# Altium PCB MINI_ESC_G0.PcbDoc (continued)
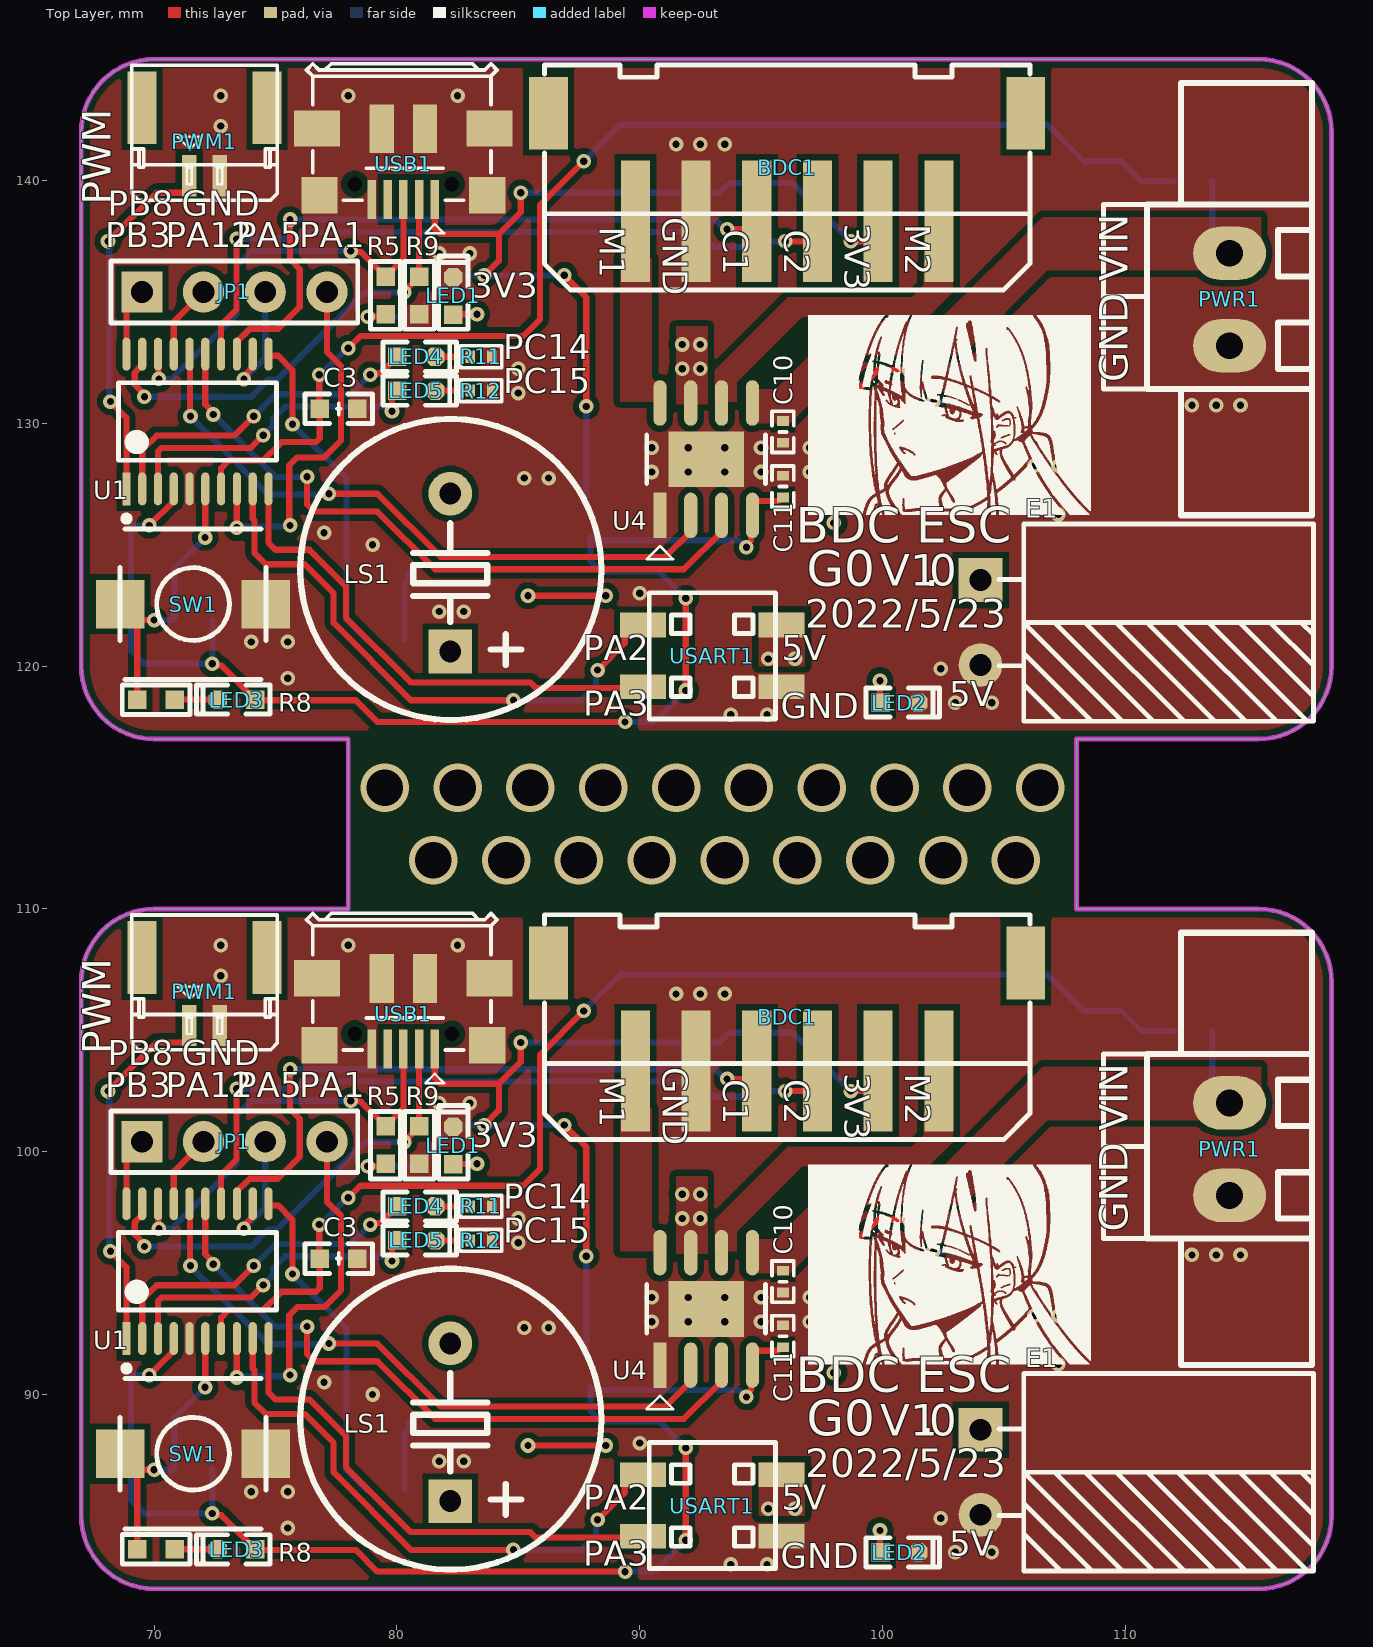
[diagram p0: Top Layer view]
## Nets (pads, with @x,y where several pads share a name; then routed paths per layer and width w, separated by ;. In a path a pad name is that pad's centre, name@x,y a point inside that pad or via, vN(x,y) a via of type N, cw(c..) or ccw(c..) an arc to the next point about the centre after c; other vN are vias at no path point) (continued)
5V: C2.2 C6.1 D2.2 DR2.2 L1.2 LS1.1 R3.2 R6.1 U2.1 U2.3 USART1.1 | length 31.2
  Top Layer w0.254: v1(85.4,87.9) v1(88.6,87.9) ; v1(85.4,122.9) v1(88.6,122.9) ; v1(98,90.9) 98,95.4 99.8,97.2 v1(101.1,97.2) ; v1(98,125.9) 98,130.4 99.8,132.2 v1(101.1,132.2)
  Bottom Layer w0.254: U2.1@87.975,87.911 87.986,87.9 v1(88.6,87.9) ; U2.1@87.975,122.911 87.986,122.9 v1(88.6,122.9) ; v1(98,90.9) v1@98.1,90.9 ; v1(98,125.9) v1@98.1,125.9 ; v1(101.1,97.2) 101.166,97.266 104.055,97.266 R6.1@104.282,97.493 ; v1(101.1,132.2) 101.166,132.266 104.055,132.266 R6.1@104.282,132.493
  other v1: 95.3,85.3 96.4,85.3 95.3,120.3 96.4,120.3
FB: R6.2 R10.1 U3.3 | length 6.8
  Bottom Layer w0.254: U3.3@104.866,95.922 104.913,95.969 106.456,95.969 106.456,96.873 R6.2@105.836,97.493 ; U3.3@104.866,130.922 104.913,130.969 106.456,130.969 106.456,131.873 R6.2@105.836,132.493
GND: BDC1.2 C1.1 C2.1 C3.1 C4.2 C6.2 C7.1 C8.1 C9.1 C10.1 C11.1 D1.1 DR1.2 DR2.1 E1.2 LED1.2 LED2.2 PWM1.2 PWR1.1 Q1.2 R2.1 R9.2 R10.2 R11.1 R12.1 R14.1 R15.1 SW1.2 U1.5 U2.2 U3.2 U4.1 U4.9 USART1.3 USB1.5
  other v1: 93.75,83 95.25,83 103,83.5 104.5,83.5 75.5,84.5 102.4,84.9 74,86 75.5,86 81.75,87.25 82.75,87.25 90,88 79,90 77,90.5 107.25,91.25 107.25,92.25 85.25,92.75 86.25,92.75 90.5,93 92,93 93.5,93 95,93 97,93 106.25,93.25 107.25,93.25 90.5,94 92,94 93.5,94 95,94 97,94 112.75,95.75 113.75,95.75 114.75,95.75 85,96.25 85,97.25 81.75,102 83,102 91.5,106.5 92.5,106.5 93.5,106.5 72.75,107.25 72.75,108.5 78,108.5 82.5,108.5 93.75,118 95.25,118 103,118.5 104.5,118.5 75.5,119.5 102.4,119.9 74,121 75.5,121 81.75,122.25 82.75,122.25 90,123 79,125 77,125.5 107.25,126.25 107.25,127.25 85.25,127.75 86.25,127.75 90.5,128 92,128 93.5,128 95,128 97,128 106.25,128.25 107.25,128.25 90.5,129 92,129 93.5,129 95,129 97,129 112.75,130.75 113.75,130.75 114.75,130.75 85,131.25 85,132.25 81.75,137 83,137 91.5,141.5 92.5,141.5 93.5,141.5 72.75,142.25 72.75,143.5 78,143.5 82.5,143.5
M_A: BDC1.6 U4.6
M_B: BDC1.1 U4.8
NetC5_1: C5.1 U3.1 | length 6.9
  Top Layer w0.254: v1(101.5,94.4) 101.5,95.3 v1(102.1,95.9) ; v1(101.5,129.4) 101.5,130.3 v1(102.1,130.9)
  Bottom Layer w0.254: C5.1@101.5,93.554 v1(101.5,94.4) ; C5.1@101.5,128.554 v1(101.5,129.4) ; v1(102.1,95.9) 102.944,95.9 U3.1@102.966,95.922 ; v1(102.1,130.9) 102.944,130.9 U3.1@102.966,130.922
NetC5_2: C5.2 D1.2 L1.1 U3.6
NetD2_1: D2.1 LS1.2 Q1.3
NetLED1_1: LED1.1 R4.1 | length 3.9
  Top Layer w0.254: LED1.1@82.326,99.478 82.348,99.5 v1(83.3,99.5) ; LED1.1@82.326,134.478 82.348,134.5 v1(83.3,134.5)
  Bottom Layer w0.254: R4.1@82.326,99.495 82.331,99.5 v1(83.3,99.5) ; R4.1@82.326,134.495 82.331,134.5 v1(83.3,134.5)
NetLED2_1: LED2.1 R3.1 | length 3.6
  Top Layer w0.254: v1(99.9,84.4) 99.9,83.523 LED2.1@99.923,83.5 ; v1(99.9,119.4) 99.9,118.523 LED2.1@99.923,118.5
  Bottom Layer w0.254: R3.1@99.867,83.523 99.881,83.537 99.881,84.381 v1(99.9,84.4) ; R3.1@99.867,118.523 99.881,118.537 99.881,119.381 v1(99.9,119.4)
NetLED3_2: LED3.2 R8.2 | length 3.5
  Top Layer w0.254: R8.2@70.857,83.623 LED3.2@72.62,83.623 ; R8.2@70.857,118.623 LED3.2@72.62,118.623
NetLED4_2: LED4.2 R11.2 | length 2.9
  Top Layer w0.254: LED4.2@81.579,97.747 R11.2@83.019,97.747 ; LED4.2@81.579,132.747 R11.2@83.019,132.747
NetLED5_2: LED5.2 R12.2 | length 2.9
  Top Layer w0.254: LED5.2@81.579,96.35 R12.2@83.019,96.35 ; LED5.2@81.579,131.35 R12.2@83.019,131.35
NetQ1_1: Q1.1 R13.2 R15.2 | length 5.7
  Bottom Layer w0.254: R13.2@80.309,86.063 80.309,87.46 80.309,88.409 80.482,88.582 Q1.1@80.482,88.857 ; R13.2@80.309,121.063 80.309,122.46 80.309,123.409 80.482,123.582 Q1.1@80.482,123.857
NetR14_2: R14.2 U4.7
  other v1: 91.75,97.25 92.5,97.25 91.75,98.25 92.5,98.25 91.75,132.25 92.5,132.25 91.75,133.25 92.5,133.25
NRST: C9.2 R7.1 R8.1 SW1.1 U1.6 | length 23.4
  Top Layer w0.254: SW1.1@68.604,87.56 SW1.1@69.264,86.9 ; SW1.1@68.604,122.56 SW1.1@69.264,121.9 ; R8.1@69.303,83.623 69.303,86.861 SW1.1@69.264,86.9 ; R8.1@69.303,118.623 69.303,121.861 SW1.1@69.264,121.9 ; v1(70,86.9) SW1.1@69.264,86.9 ; v1(70,121.9) SW1.1@69.264,121.9 ; v1(72.1,90.3) 72.105,90.305 72.105,92.3 U1.6@72.11,92.305 ; v1(72.1,125.3) 72.105,125.305 72.105,127.3 U1.6@72.11,127.305
  Bottom Layer w0.254: v1(70,86.9) 70.802,86.9 70.827,86.925 70.827,88.322 70.827,89.027 v1(72.1,90.3) ; v1(70,121.9) 70.802,121.9 70.827,121.925 70.827,123.322 70.827,124.027 v1(72.1,125.3)
PA0-ADC1_IN0: C3.2 R1.1 R2.2 U1.7 | length 102.5
  Top Layer w0.254: U1.7@72.76,92.305 72.76,93.16 73.084,93.484 74.501,93.484 75.249,94.232 76.667,94.232 76.823,94.388 76.823,95.2 76.8,95.223 v1(76.8,97) ; U1.7@72.76,127.305 72.76,128.16 73.084,128.484 74.501,128.484 75.249,129.232 76.667,129.232 76.823,129.388 76.823,130.2 76.8,130.223 v1(76.8,132) ; v1(78,98.1) 78.5,98.6 85.2,98.6 85.9,99.3 85.9,104 v1(87.7,105.8) ; v1(78,133.1) 78.5,133.6 85.2,133.6 85.9,134.3 85.9,139 v1(87.7,140.8)
  Bottom Layer w0.254: v1(76.8,97) 76.85,97 77.95,98.1 v1(78,98.1) ; v1(76.8,132) 76.85,132 77.95,133.1 v1(78,133.1) ; v1(87.7,105.8) 89.2,107.3 106.8,107.3 108.3,105.8 109.848,105.8 110.662,104.986 R1.1@112.029,104.986 ; v1(87.7,140.8) 89.2,142.3 106.8,142.3 108.3,140.8 109.848,140.8 110.662,139.986 R1.1@112.029,139.986
PA1: JP1.4 U1.8 | length 30.5
  Top Layer w0.254: v1(73.4,90.7) 73.405,90.705 73.405,92.3 U1.8@73.41,92.305 ; v1(73.4,125.7) 73.405,125.705 73.405,127.3 U1.8@73.41,127.305 ; v1(75.6,90.8) 75.568,90.832 75.568,93.268 75.9,93.6 77,93.6 77.7,94.3 77.7,97.365 77.119,97.946 JP1.4@77.119,100.414 ; v1(75.6,125.8) 75.568,125.832 75.568,128.268 75.9,128.6 77,128.6 77.7,129.3 77.7,132.365 77.119,132.946 JP1.4@77.119,135.414
  Bottom Layer w0.254: v1(73.4,90.7) 73.45,90.75 75.55,90.75 v1(75.6,90.8) ; v1(73.4,125.7) 73.45,125.75 75.55,125.75 v1(75.6,125.8)
PA2-USART2_TX: U1.9 USART1.2 | length 47.4
  Top Layer w0.254: U1.9@74.06,92.305 74.06,91.075 74.132,91.003 74.132,89.668 74.6,89.2 76.2,89.2 77.392,88.008 77.392,86.79 80.582,83.6 v1(84.8,83.6) ; U1.9@74.06,127.305 74.06,126.075 74.132,126.003 74.132,124.668 74.6,124.2 76.2,124.2 77.392,123.008 77.392,121.79 80.582,118.6 v1(84.8,118.6) ; v1(88.266,84.84) 89.389,85.962 89.389,86.315 89.772,86.698 USART1.2@90.124,86.698 ; v1(88.266,119.84) 89.389,120.962 89.389,121.315 89.772,121.698 USART1.2@90.124,121.698
  Bottom Layer w0.254: v1(84.8,83.6) 87.6,83.6 88.2,84.2 88.2,84.774 v1(88.266,84.84) ; v1(84.8,118.6) 87.6,118.6 88.2,119.2 88.2,119.774 v1(88.266,119.84)
PA3-USART2_RX: U1.10 USART1.4 | length 41.8
  Top Layer w0.254: U1.10@74.71,92.305 74.71,90.09 75,89.8 76.4,89.8 77.9,88.3 77.9,87 80.568,84.332 85.503,84.332 85.727,84.108 90.094,84.108 USART1.4@90.144,84.158 ; U1.10@74.71,127.305 74.71,125.09 75,124.8 76.4,124.8 77.9,123.3 77.9,122 80.568,119.332 85.503,119.332 85.727,119.108 90.094,119.108 USART1.4@90.144,119.158
PA4-BEEP: R13.1 U1.11 | length 27.4
  Top Layer w0.254: U1.11@74.71,97.855 74.71,97.827 74.75,97.787 75.113,97.787 75.7,97.2 v1(75.7,94.964) ; U1.11@74.71,132.855 74.71,132.827 74.75,132.787 75.113,132.787 75.7,132.2 v1(75.7,129.964)
  Bottom Layer w0.254: v1(75.7,94.964) 77.932,92.732 77.932,86.886 R13.1@78.755,86.063 ; v1(75.7,129.964) 77.932,127.732 77.932,121.886 R13.1@78.755,121.063
PA5: JP1.3 U1.12 | length 10.3
  Top Layer w0.254: v1(73.7,96.826) 73.766,96.892 73.766,97.031 74.06,97.325 U1.12@74.06,97.855 ; v1(73.7,131.826) 73.766,131.892 73.766,132.031 74.06,132.325 U1.12@74.06,132.855 ; JP1.3@74.579,100.414 JP1.3@74.59,100.425 ; JP1.3@74.579,135.414 JP1.3@74.59,135.425
  Bottom Layer w0.254: v1(73.7,96.826) 74.579,97.705 JP1.3@74.579,100.414 ; v1(73.7,131.826) 74.579,132.705 JP1.3@74.579,135.414
PA6-TIM3_CH1: BDC1.3 U1.13 | length 54
  Top Layer w0.254: U1.13@73.41,97.855 73.41,98.363 73.937,98.89 75.09,98.89 76,99.8 76,101.353 75.6,101.753 v1(75.6,103.4) ; U1.13@73.41,132.855 73.41,133.363 73.937,133.89 75.09,133.89 76,134.8 76,136.353 75.6,136.753 v1(75.6,138.4) ; v1(93.6,103) 94.498,103 BDC1.3@94.825,103.327 ; v1(93.6,138) 94.498,138 BDC1.3@94.825,138.327
  Bottom Layer w0.254: v1(75.6,103.4) 93.106,103.4 93.506,103 v1(93.6,103) ; v1(75.6,138.4) 93.106,138.4 93.506,138 v1(93.6,138)
PA7-TIM3_CH2: BDC1.4 U1.14 | length 59.9
  Top Layer w0.254: U1.14@72.76,97.855 72.76,99.06 73.4,99.7 v1(73.4,102.6) ; U1.14@72.76,132.855 72.76,134.06 73.4,134.7 v1(73.4,137.6) ; v1(96,102.5) 96.852,102.5 97.325,102.973 BDC1.4@97.325,103.327 ; v1(96,137.5) 96.852,137.5 97.325,137.973 BDC1.4@97.325,138.327
  Bottom Layer w0.254: v1(73.4,102.6) 73.408,102.608 75.843,102.608 76.127,102.892 92.408,102.892 93.032,102.268 94.486,102.268 94.718,102.5 v1(96,102.5) ; v1(73.4,137.6) 73.408,137.608 75.843,137.608 76.127,137.892 92.408,137.892 93.032,137.268 94.486,137.268 94.718,137.5 v1(96,137.5)
PA8-TIM1_CH1: U1.15 U4.3 | length 56.4
  Top Layer w0.254: U1.15@72.11,97.855 72.11,95.784 72.432,95.462 v1(72.432,95.368) ; U1.15@72.11,132.855 72.11,130.784 72.432,130.462 v1(72.432,130.368) ; v1(76.3,92.8) 76.3,91.665 76.597,91.368 79.199,91.368 81.575,88.992 91.823,88.992 93.375,90.544 U4.3@93.375,91.21 ; v1(76.3,127.8) 76.3,126.665 76.597,126.368 79.199,126.368 81.575,123.992 91.823,123.992 93.375,125.544 U4.3@93.375,126.21
  Bottom Layer w0.254: v1(72.432,95.368) 75,92.8 v1(76.3,92.8) ; v1(72.432,130.368) 75,127.8 v1(76.3,127.8)
PA11-TIM1_CH4: U1.16 U4.2 | length 53.4
  Top Layer w0.254: U1.16@71.46,97.855 71.477,97.839 71.477,95.323 v1(71.5,95.3) ; U1.16@71.46,132.855 71.477,132.839 71.477,130.323 v1(71.5,130.3) ; v1(77.2,92.1) 79.2,92.1 81.8,89.5 91.061,89.5 92.105,90.544 U4.2@92.105,91.21 ; v1(77.2,127.1) 79.2,127.1 81.8,124.5 91.061,124.5 92.105,125.544 U4.2@92.105,126.21
  Bottom Layer w0.254: v1(71.5,95.3) 71.5,95.265 74.697,92.068 77.168,92.068 v1(77.2,92.1) ; v1(71.5,130.3) 71.5,130.265 74.697,127.068 77.168,127.068 v1(77.2,127.1)
PA12: JP1.2 U1.17 | length 6.1
  Top Layer w0.254: U1.17@70.81,97.855 70.81,99.185 JP1.2@72.039,100.414 ; U1.17@70.81,132.855 70.81,134.185 JP1.2@72.039,135.414
PB3: JP1.1 U1.20 | length 5.6
  Top Layer w0.254: U1.20@68.86,97.855 68.86,99.775 JP1.1@69.499,100.414 ; U1.20@68.86,132.855 68.86,134.775 JP1.1@69.499,135.414
PB8-TIM16_CH1: PWM1.1 U1.1 | length 30.5
  Top Layer w0.254: v1(68.1,102.5) 70.1,104.5 71.277,104.5 71.3,104.523 PWM1.1@71.3,105.2 ; v1(68.1,137.5) 70.1,139.5 71.277,139.5 71.3,139.523 PWM1.1@71.3,140.2 ; v1(68.2,95.9) 68.86,95.24 U1.1@68.86,92.305 ; v1(68.2,130.9) 68.86,130.24 U1.1@68.86,127.305
  Bottom Layer w0.254: v1(68.1,102.5) 68.15,102.45 68.15,95.95 v1(68.2,95.9) ; v1(68.1,137.5) 68.15,137.45 68.15,130.95 v1(68.2,130.9)
PC14-LED1: LED4.1 U1.2 | length 27.4
  Top Layer w0.254: U1.2@69.51,92.305 69.51,93.91 70.1,94.5 73.3,94.5 v1(74.1,95.3) ; U1.2@69.51,127.305 69.51,128.91 70.1,129.5 73.3,129.5 v1(74.1,130.3) ; v1(78.9,97) 78.966,97.066 79.344,97.066 LED4.1@80.025,97.747 ; v1(78.9,132) 78.966,132.066 79.344,132.066 LED4.1@80.025,132.747
  Bottom Layer w0.254: v1(74.1,95.3) 75.003,96.203 78.103,96.203 v1(78.9,97) ; v1(74.1,130.3) 75.003,131.203 78.103,131.203 v1(78.9,132)
PC15-LED2: LED5.1 U1.3 | length 26.3
  Top Layer w0.254: U1.3@70.16,92.305 70.16,93.842 70.31,93.992 73.975,93.992 v1(74.491,94.509) ; U1.3@70.16,127.305 70.16,128.842 70.31,128.992 73.975,128.992 v1(74.491,129.509) ; v1(79.8,95.5) 79.8,96.125 LED5.1@80.025,96.35 ; v1(79.8,130.5) 79.8,131.125 LED5.1@80.025,131.35
  Bottom Layer w0.254: v1(74.491,94.509) 74.491,94.518 74.9,94.927 74.9,95.199 75.397,95.695 79.511,95.695 79.706,95.5 v1(79.8,95.5) ; v1(74.491,129.509) 74.491,129.518 74.9,129.927 74.9,130.199 75.397,130.695 79.511,130.695 79.706,130.5 v1(79.8,130.5)
SWCLK: R9.1 U1.19 USB1.2 | length 37.3
  Top Layer w0.254: U1.19@69.51,97.855 69.51,97.372 69.443,97.305 69.417,97.305 69.2,97.088 69.2,96.594 69.6,96.194 v1(69.6,96.1) ; U1.19@69.51,132.855 69.51,132.372 69.443,132.305 69.417,132.305 69.2,132.088 69.2,131.594 69.6,131.194 v1(69.6,131.1) ; v1(80.3,100.4) 80.3,100.42 80.929,101.049 80.915,101.063 USB1.2@80.915,104.226 ; v1(80.3,135.4) 80.3,135.42 80.929,136.049 80.915,136.063 USB1.2@80.915,139.226
  Bottom Layer w0.254: v1(69.6,96.1) 72.735,96.1 72.741,96.094 74.003,96.094 74.709,96.8 75.066,96.8 78.666,100.4 v1(80.3,100.4) ; v1(69.6,131.1) 72.735,131.1 72.741,131.094 74.003,131.094 74.709,131.8 75.066,131.8 78.666,135.4 v1(80.3,135.4)
SWDIO: R5.1 U1.18 USB1.3 | length 35.3
  Top Layer w0.254: U1.18@70.16,97.855 70.177,97.839 70.177,96.855 v1(70.2,96.832) ; U1.18@70.16,132.855 70.177,132.839 70.177,131.855 v1(70.2,131.832) ; v1(78.1,102.1) 78.137,102.063 78.518,102.063 79.532,101.049 80.267,101.784 USB1.3@80.267,104.226 ; v1(78.1,137.1) 78.137,137.063 78.518,137.063 79.532,136.049 80.267,136.784 USB1.3@80.267,139.226
  Bottom Layer w0.254: v1(70.2,96.832) 70.732,96.832 73.4,99.5 73.4,101.5 74,102.1 v1(78.1,102.1) ; v1(70.2,131.832) 70.732,131.832 73.4,134.5 73.4,136.5 74,137.1 v1(78.1,137.1)
VIN: C4.1 C10.2 DR1.1 E1.1 PWR1.2 R1.2 U3.4 U3.5 U4.5 | length 5
  Bottom Layer w0.254: R1.2@113.583,104.986 113.583,102.622 PWR1.2@113.695,102.51 ; R1.2@113.583,139.986 113.583,137.622 PWR1.2@113.695,137.51
pads on no net: BDC1.0 PWM1.0 U2.4 USB1.0 USB1.4
copper on no net:
  other v2: 81.5,112 84.5,112 87.5,112 90.5,112 93.5,112 96.5,112 99.5,112 102.5,112 105.5,112 79.5,115 82.5,115 85.5,115 88.5,115 91.5,115 94.5,115 97.5,115 100.5,115 103.5,115 106.5,115

## Polygon pours and split planes (outlines as drawn)
GND on Top Layer "GND_L01_P024" (solid, remove dead copper, pour order 24): 67,120 67,142 cw(c70,142) 70,145 115.5,145 cw(c115.5,142) 118.5,142 118.5,120 cw(c115.5,120) 115.5,117 70,117 cw(c70,120)
5V on Top Layer "5V_L01_P021" (solid, remove dead copper, pour order 21): 94.9,122.2 94.9,120 96.8,120 96.8,122.2
M_A on Top Layer "M_A_L01_P017" (solid, remove dead copper, pour order 17): 93.1,130.9 94,130.9 94,131.7 96.7,134.4 101.9,134.4 102.9,135.4 102.9,136.6 101.7,136.6 101.7,135.7 101.2,135.2 96.1,135.2 93.1,132.2 93.1,131.4
M_B on Top Layer "M_B_L01_P016" (solid, remove dead copper, pour order 16): 91.1,130.9 89.2,130.9 89.2,136.8 90.5,136.8 90.5,131.9 90.7,131.7 91.1,131.7
NetR14_2 on Top Layer "NETR14_2_L01_P015" (solid, remove dead copper, pour order 15): 91.5,130.8 92.8,130.8 92.8,134 91.5,134
VIN on Top Layer "VIN_L01_P013" (solid, remove dead copper, pour order 13): 94.6,130 96.2,130 99,132.8 103.3,132.8 106.8,136.3 115.6,136.3 115.6,138.5 108.1,138.5 106.6,138.5 102.3,134.2 98.4,134.2 95.6,131.4 94.6,131.4
GND on Top Layer "GND_L01_P011" (solid, remove dead copper, pour order 11): 67,85 67,107 cw(c70,107) 70,110 115.5,110 cw(c115.5,107) 118.5,107 118.5,85 cw(c115.5,85) 115.5,82 70,82 cw(c70,85)
5V on Top Layer "5V_L01_P008" (solid, remove dead copper, pour order 8): 94.9,87.2 94.9,85 96.8,85 96.8,87.2
M_A on Top Layer "M_A_L01_P004" (solid, remove dead copper, pour order 4): 93.1,95.9 94,95.9 94,96.7 96.7,99.4 101.9,99.4 102.9,100.4 102.9,101.6 101.7,101.6 101.7,100.7 101.2,100.2 96.1,100.2 93.1,97.2 93.1,96.4
M_B on Top Layer "M_B_L01_P003" (solid, remove dead copper, pour order 3): 91.1,95.9 89.2,95.9 89.2,101.8 90.5,101.8 90.5,96.9 90.7,96.7 91.1,96.7
NetR14_2 on Top Layer "NETR14_2_L01_P002" (solid, remove dead copper, pour order 2): 91.5,95.8 92.8,95.8 92.8,99 91.5,99
VIN on Top Layer "VIN_L01_P000" (solid, remove dead copper, pour order 0): 94.6,95 96.2,95 99,97.8 103.3,97.8 106.8,101.3 115.6,101.3 115.6,103.5 108.1,103.5 106.6,103.5 102.3,99.2 98.4,99.2 95.6,96.4 94.6,96.4
GND on Bottom Layer "GND_L02_P025" (solid, remove dead copper, pour order 25): 67,120 67,142 cw(c70,142) 70,145 115.5,145 cw(c115.5,142) 118.5,142 118.5,120 cw(c115.5,120) 115.5,117 70,117 cw(c70,120)
3V3 on Bottom Layer "3V3_L02_P023" (solid, remove dead copper, pour order 23): 87.3,124.9 88.8,124.9 88.8,127.2 87.3,127.2
NetD2_1 on Bottom Layer "NETD2_1_L02_P022" (solid, remove dead copper, pour order 22): 79.3,125.75 84.259,125.75 84.259,126.9 79.3,126.9
5V on Bottom Layer "5V_L02_P020" (solid, remove dead copper, pour order 20): 98.7,118 97.6,118 97.6,119.7 82.7,119.7 82.7,121.7 84.2,123.2 86.3,123.2 86.3,122.2 87,121.5 87,120.6 97,120.6 97.5,121.1 97.5,127.1 98.5,127.1 98.5,122.7 98.4,122.6 98.7,122.3 98.7,120.4
NetC5_2 on Bottom Layer "NETC5_2_L02_P019" (solid, remove dead copper, pour order 19): 102.7,128.1 102.1,127.5 100.1,127.5 100.1,125.6 100.5,125.2 101.7,125.2 102.4,125.9 102.4,126.7 103.2,127.5 103.2,128.1
NetR14_2 on Bottom Layer "NETR14_2_L02_P018" (solid, remove dead copper, pour order 18): 91.5,133.9 91.5,131.7 92.8,131.7 92.8,133.9
VIN on Bottom Layer "VIN_L02_P014" (solid, remove dead copper, pour order 14): 103.6,128.7 103.6,122.6 103.7,122.5 113.7,122.5 117.7,126.5 117.7,138.4 109.5,138.4 109.5,136.2 116,136.2 116,127.8 112.6,124.4 104.8,124.4 104.8,128.7
GND on Bottom Layer "GND_L02_P012" (solid, remove dead copper, pour order 12): 67,85 67,107 cw(c70,107) 70,110 115.5,110 cw(c115.5,107) 118.5,107 118.5,85 cw(c115.5,85) 115.5,82 70,82 cw(c70,85)
3V3 on Bottom Layer "3V3_L02_P010" (solid, remove dead copper, pour order 10): 87.3,89.9 88.8,89.9 88.8,92.2 87.3,92.2
NetD2_1 on Bottom Layer "NETD2_1_L02_P009" (solid, remove dead copper, pour order 9): 79.3,90.75 84.259,90.75 84.259,91.9 79.3,91.9
5V on Bottom Layer "5V_L02_P007" (solid, remove dead copper, pour order 7): 98.7,83 97.6,83 97.6,84.7 82.7,84.7 82.7,86.7 84.2,88.2 86.3,88.2 86.3,87.2 87,86.5 87,85.6 97,85.6 97.5,86.1 97.5,92.1 98.5,92.1 98.5,87.7 98.4,87.6 98.7,87.3 98.7,85.4
NetC5_2 on Bottom Layer "NETC5_2_L02_P006" (solid, remove dead copper, pour order 6): 102.7,93.1 102.1,92.5 100.1,92.5 100.1,90.6 100.5,90.2 101.7,90.2 102.4,90.9 102.4,91.7 103.2,92.5 103.2,93.1
NetR14_2 on Bottom Layer "NETR14_2_L02_P005" (solid, remove dead copper, pour order 5): 91.5,98.9 91.5,96.7 92.8,96.7 92.8,98.9
VIN on Bottom Layer "VIN_L02_P001" (solid, remove dead copper, pour order 1): 103.6,93.7 103.6,87.6 103.7,87.5 113.7,87.5 117.7,91.5 117.7,103.4 109.5,103.4 109.5,101.2 116,101.2 116,92.8 112.6,89.4 104.8,89.4 104.8,93.7

## Keep-outs
Keep-Out Layer:
  the board outline again, w0.2

## Silkscreen, mask and mechanical layers (free items; w line width, h text height)
Top Overlay:
  drawing of 14032 lines, arcs and shapes, not listed
  text "PWM" at 68.6,139.009 h2 r90
  text "GND" at 90.6,138.488 h1.75 r270
  text "3V3" at 98.1,138.226 h1.75 r270
  text "PB8" at 68.096,138.213 h1.75
  text "GND" at 71.143,138.213 h1.75
  text "M2" at 100.6,138.204 h1.75 r270
  text "M1" at 88,138.104 h1.75 r270
  text "C1" at 93.1,137.988 h1.75 r270
  text "C2" at 95.6,137.988 h1.75 r270
  text "PB3" at 67.986,136.9 h1.75
  text "PA12" at 70.486,136.9 h1.75
  text "PA5" at 73.386,136.9 h1.75
  text "PA1" at 75.986,136.9 h1.75
  text "VIN" at 110.5,135.861 h2 r90
  text "3V3" at 83.072,134.826 h1.75
  text "PC14" at 84.386,132.3 h1.75
  text "GND" at 110.5,131.694 h2 r90
  text "PC15" at 84.386,130.9 h1.75
  text "BDC ESC" at 96.422,124.6 h2.5
  text "V1" at 99.904,122.875 h2.25
  text "0" at 101.938,122.875 h2.25
  text "G0" at 96.892,122.8 h2.5
  text "." at 101.727,122.8 h2.5
  text "2022/5/23" at 96.822,121.2 h2
  text "PA2" at 87.686,119.9 h1.75
  text "5V" at 95.851,119.9 h1.75
  text "5V" at 102.751,118 h1.75
  text "PA3" at 87.686,117.6 h1.75
  text "GND" at 95.812,117.5 h1.75
  text "PWM" at 68.6,104.009 h2 r90
  text "GND" at 90.6,103.488 h1.75 r270
  text "PB8" at 68.096,103.213 h1.75
  text "GND" at 71.143,103.213 h1.75
  text "3V3" at 98.1,103.226 h1.75 r270
  text "M2" at 100.6,103.204 h1.75 r270
  text "M1" at 88,103.104 h1.75 r270
  text "C1" at 93.1,102.988 h1.75 r270
  text "C2" at 95.6,102.988 h1.75 r270
  text "PB3" at 67.986,101.9 h1.75
  text "PA12" at 70.486,101.9 h1.75
  text "PA5" at 73.386,101.9 h1.75
  text "PA1" at 75.986,101.9 h1.75
  text "VIN" at 110.5,100.861 h2 r90
  text "3V3" at 83.072,99.826 h1.75
  text "PC14" at 84.386,97.3 h1.75
  text "GND" at 110.5,96.694 h2 r90
  text "PC15" at 84.386,95.9 h1.75
  text "BDC ESC" at 96.422,89.6 h2.5
  text "V1" at 99.904,87.875 h2.25
  text "0" at 101.938,87.875 h2.25
  text "." at 101.545,87.869 h2.5
  text "G0" at 96.892,87.8 h2.5
  text "2022/5/23" at 96.822,86.2 h2
  text "PA2" at 87.686,84.9 h1.75
  text "5V" at 95.851,84.9 h1.75
  text "5V" at 102.751,83 h1.75
  text "PA3" at 87.686,82.6 h1.75
  text "GND" at 95.812,82.5 h1.75
Bottom Overlay:
  drawing of 4470 lines, arcs and shapes, not listed
  text "JLCJLCJLC" at 115.503,82.619 h1.75
Top Solder:
  region: 89.2,136.8 89.2,130.9 91.1,130.9 91.1,131.7 90.7,131.7 90.5,131.9 90.5,136.8
  region: 94,130.9 93.1,130.9 93.1,132.2 96.1,135.2 101.2,135.2 101.7,135.7 101.7,136.2 102.9,136.2 102.9,135.4 102,134.5 96.8,134.5 94,131.7
  region: 89.2,101.8 89.2,95.9 91.1,95.9 91.1,96.7 90.7,96.7 90.5,96.9 90.5,101.8
  region: 94,95.9 93.1,95.9 93.1,97.2 96.1,100.2 101.2,100.2 101.7,100.7 101.7,101.2 102.9,101.2 102.9,100.4 102,99.5 96.8,99.5 94,96.7
Mechanical 1:
  the board outline again, w0.2
Drill Drawing:
  circle w0.254: c19.556,170.42 r0.847
  lines w0.254: 18.709,158.567 19.133,158.567 19.556,158.143 19.979,158.567 20.403,158.567 19.979,158.99 20.403,159.413 19.979,159.413 19.556,159.837 19.133,159.413 18.709,159.413 19.133,158.99 18.709,158.567 ; 18.709,161.953 19.556,162.377 20.403,161.953 19.979,162.8 20.403,163.647 19.556,163.223 18.709,163.647 19.133,162.8 18.709,161.953 ; 18.709,165.763 20.403,165.763 20.403,167.457 18.709,167.457 18.709,165.763 ; 18.709,175.077 20.403,175.077 19.556,173.383 18.709,175.077
  lines w0.381: 17.19,157 350.802,157 ; 17.19,176.05 350.802,176.05 ; 31.183,153.19 31.183,179.86 ; 46.419,153.19 46.419,179.86 ; 74.351,153.19 74.351,179.86 ; 87.2,153.19 87.2,179.86 ; 105.838,153.19 105.838,179.86 ; 143.927,153.19 143.927,179.86 ; 158.909,153.19 158.909,179.86 ; 177.852,153.19 177.852,179.86 ; 203.753,153.19 203.753,179.86 ; 225.439,153.19 225.439,179.86 ; 259.312,153.19 259.312,179.86 ; 293.186,153.19 293.186,179.86 ; 315.176,153.19 315.176,179.86 ; 17.19,153.19 350.802,153.19 350.802,179.86 17.19,179.86 17.19,153.19
  text "Symbol" at 19.476,177.193 h1.83
  text "Count" at 32.326,177.193 h1.83
  text "Hole Size" at 47.562,177.193 h1.83
  text "Plated" at 75.494,177.193 h1.83
  text "Hole Type" at 88.343,177.193 h1.83
  text "Drill Layer Pair" at 106.981,177.193 h1.83
  text "Via/Pad" at 145.07,177.193 h1.83
  text "Pad Shape" at 160.052,177.193 h1.83
  text "Template" at 178.995,177.193 h1.83
  text "Description" at 204.896,177.193 h1.83
  text "Hole Tolerance (+)" at 226.582,177.193 h1.83
  text "Hole Tolerance (-)" at 260.455,177.193 h1.83
  text "Hole Length" at 294.329,177.193 h1.83
  text "Routed Path Length" at 316.319,177.193 h1.83
  text "4" at 32.326,173.383 h1.52
  text "23.62mil (0.600mm)" at 47.562,173.383 h1.52
  text "NPTH" at 75.494,173.383 h1.52
  text "Round" at 88.343,173.383 h1.52
  text "Top Layer - Bottom Layer" at 106.981,173.383 h1.52
  text "Pad" at 145.07,173.383 h1.52
  text "Rounded" at 160.052,173.383 h1.52
  text "c0hn60" at 178.995,173.383 h1.52
  text "-" at 294.329,173.383 h1.52
  text "-" at 316.319,173.383 h1.52
  text "4" at 32.326,169.573 h1.52
  text "43.31mil (1.100mm)" at 47.562,169.573 h1.52
  text "PTH" at 75.494,169.573 h1.52
  text "Round" at 88.343,169.573 h1.52
  text "Top Layer - Bottom Layer" at 106.981,169.573 h1.52
  text "Pad" at 145.07,169.573 h1.52
  text "Rounded" at 160.052,169.573 h1.52
  text "r220_300h110r100" at 178.995,169.573 h1.52
  text "-" at 294.329,169.573 h1.52
  text "-" at 316.319,169.573 h1.52
  text "16" at 32.326,165.763 h1.52
  text "35.43mil (0.900mm)" at 47.562,165.763 h1.52
  text "PTH" at 75.494,165.763 h1.52
  text "Round" at 88.343,165.763 h1.52
  text "Top Layer - Bottom Layer" at 106.981,165.763 h1.52
  text "Pad" at 145.07,165.763 h1.52
  text "(Mixed)" at 160.052,165.763 h1.52
  text "(Mixed)" at 178.995,165.763 h1.52
  text "-" at 294.329,165.763 h1.52
  text "-" at 316.319,165.763 h1.52
  text "19" at 32.326,161.953 h1.52
  text "59.06mil (1.500mm)" at 47.562,161.953 h1.52
  text "PTH" at 75.494,161.953 h1.52
  text "Round" at 88.343,161.953 h1.52
  text "Top Layer - Bottom Layer" at 106.981,161.953 h1.52
  text "Via" at 145.07,161.953 h1.52
  text "Rounded" at 160.052,161.953 h1.52
  text "v200h150m206" at 178.995,161.953 h1.52
  text "-" at 294.329,161.953 h1.52
  text "-" at 316.319,161.953 h1.52
  text "196" at 32.326,158.143 h1.52
  text "11.81mil (0.300mm)" at 47.562,158.143 h1.52
  text "PTH" at 75.494,158.143 h1.52
  text "Round" at 88.343,158.143 h1.52
  text "Top Layer - Bottom Layer" at 106.981,158.143 h1.52
  text "Via" at 145.07,158.143 h1.52
  text "Rounded" at 160.052,158.143 h1.52
  text "v60h30m0mx0" at 178.995,158.143 h1.52
  text "-" at 294.329,158.143 h1.52
  text "-" at 316.319,158.143 h1.52
  text "239 Total" at 32.326,154.333 h1.52

## Dimensions
67,142 to 118.5,142 on Top Overlay
70,145 to 70,82 on Top Overlay